# Altium PCB 无线遥控器_PCB.PcbDoc
Units mil, origin at the board's own origin, x right, y up, seen from the top; angles counter-clockwise.
Board outline 3937.04 x 3937.02 mil, 2 copper layers (Top Layer, Bottom Layer); 96 components, 71 nets, 413 pads, 80 vias.
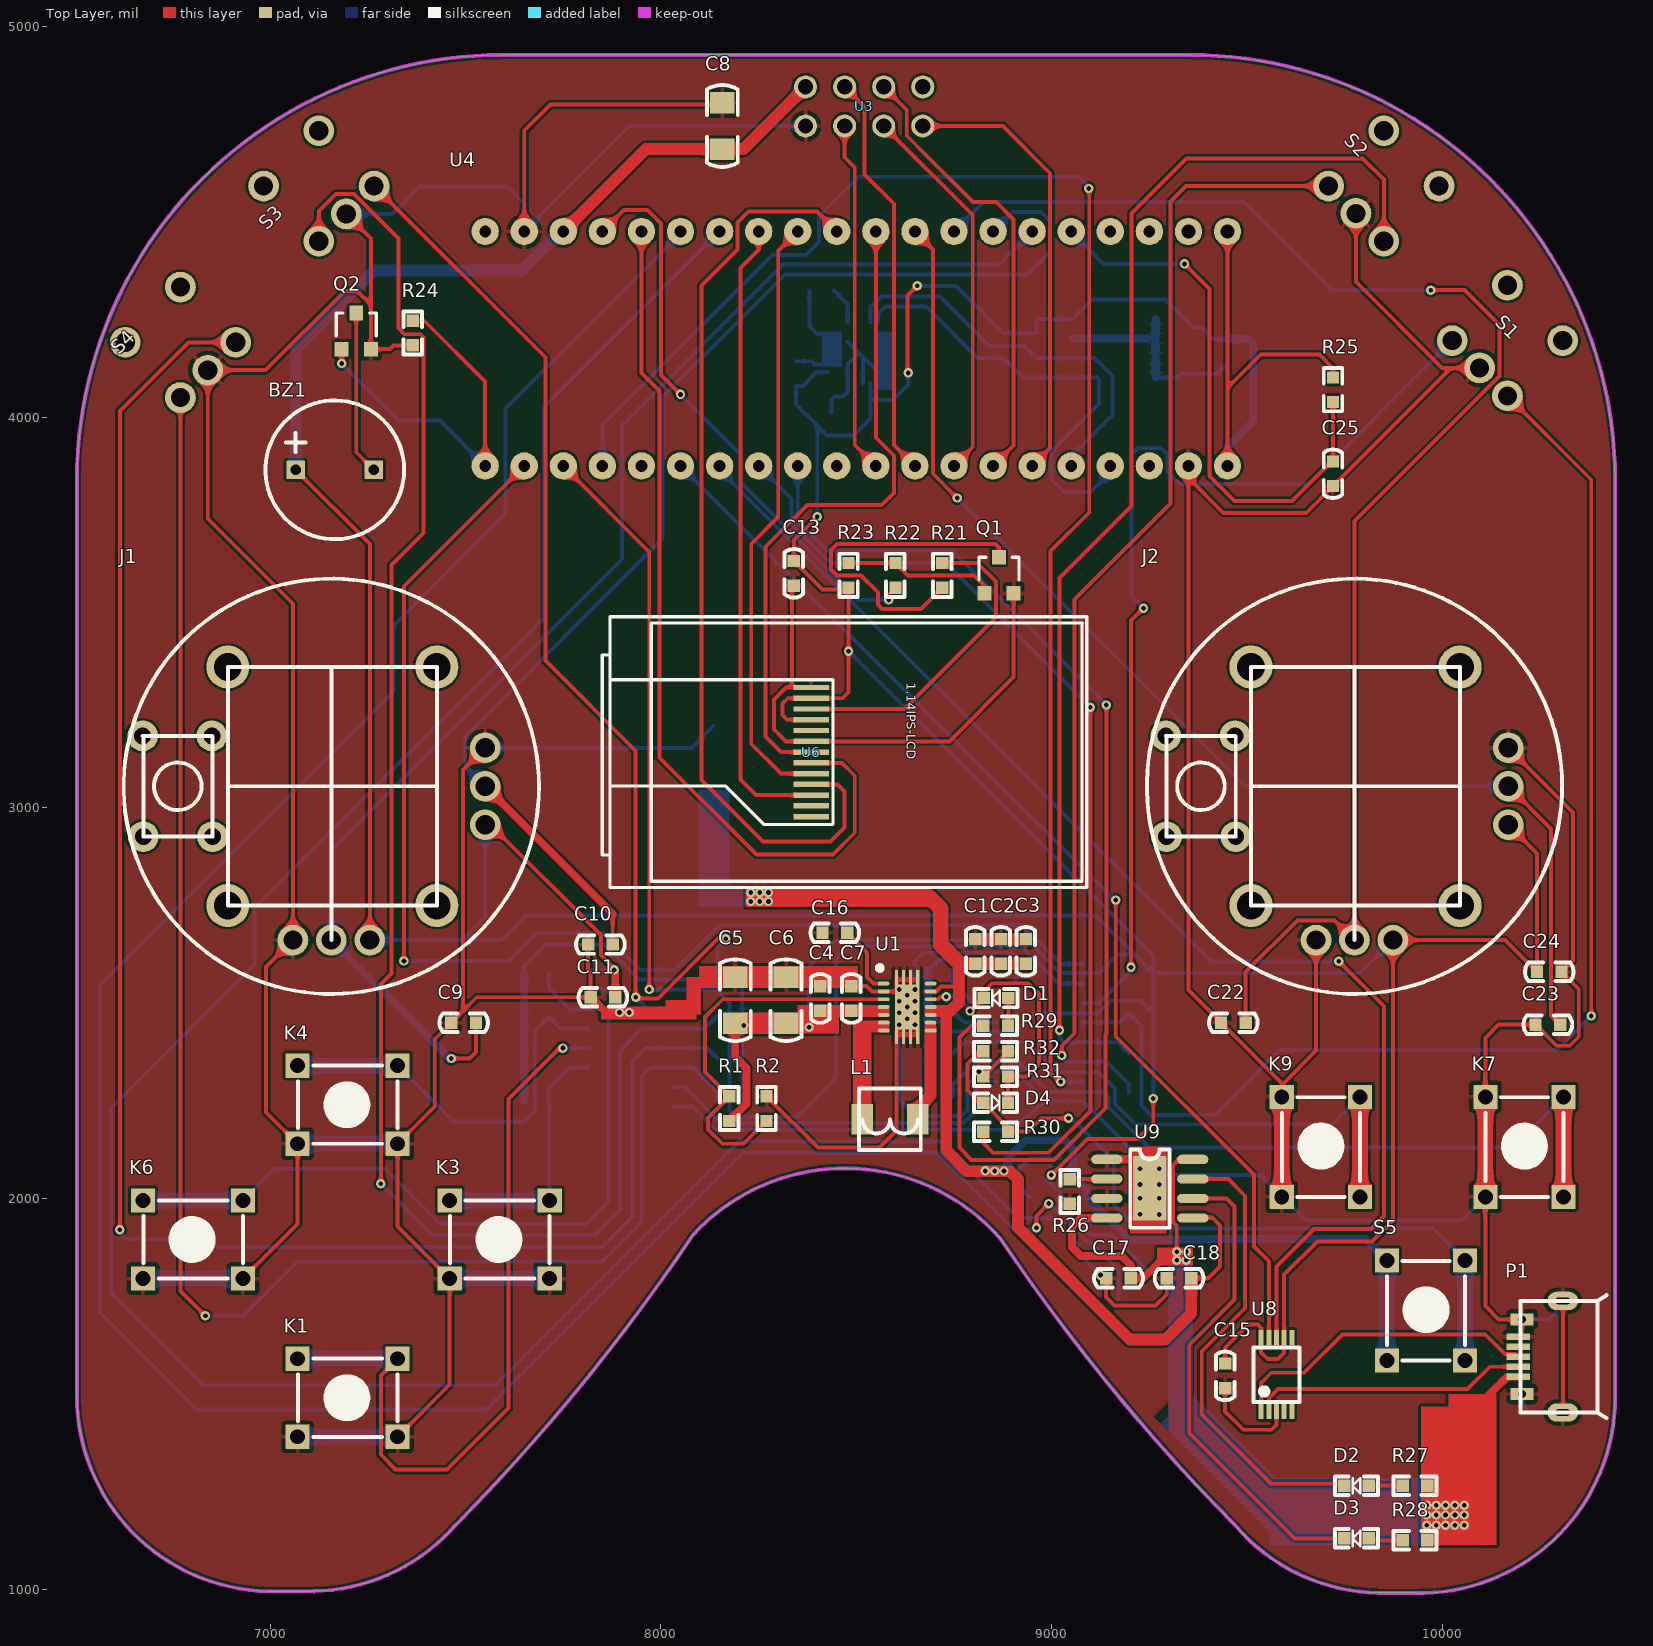
[diagram p0: Top Layer view]
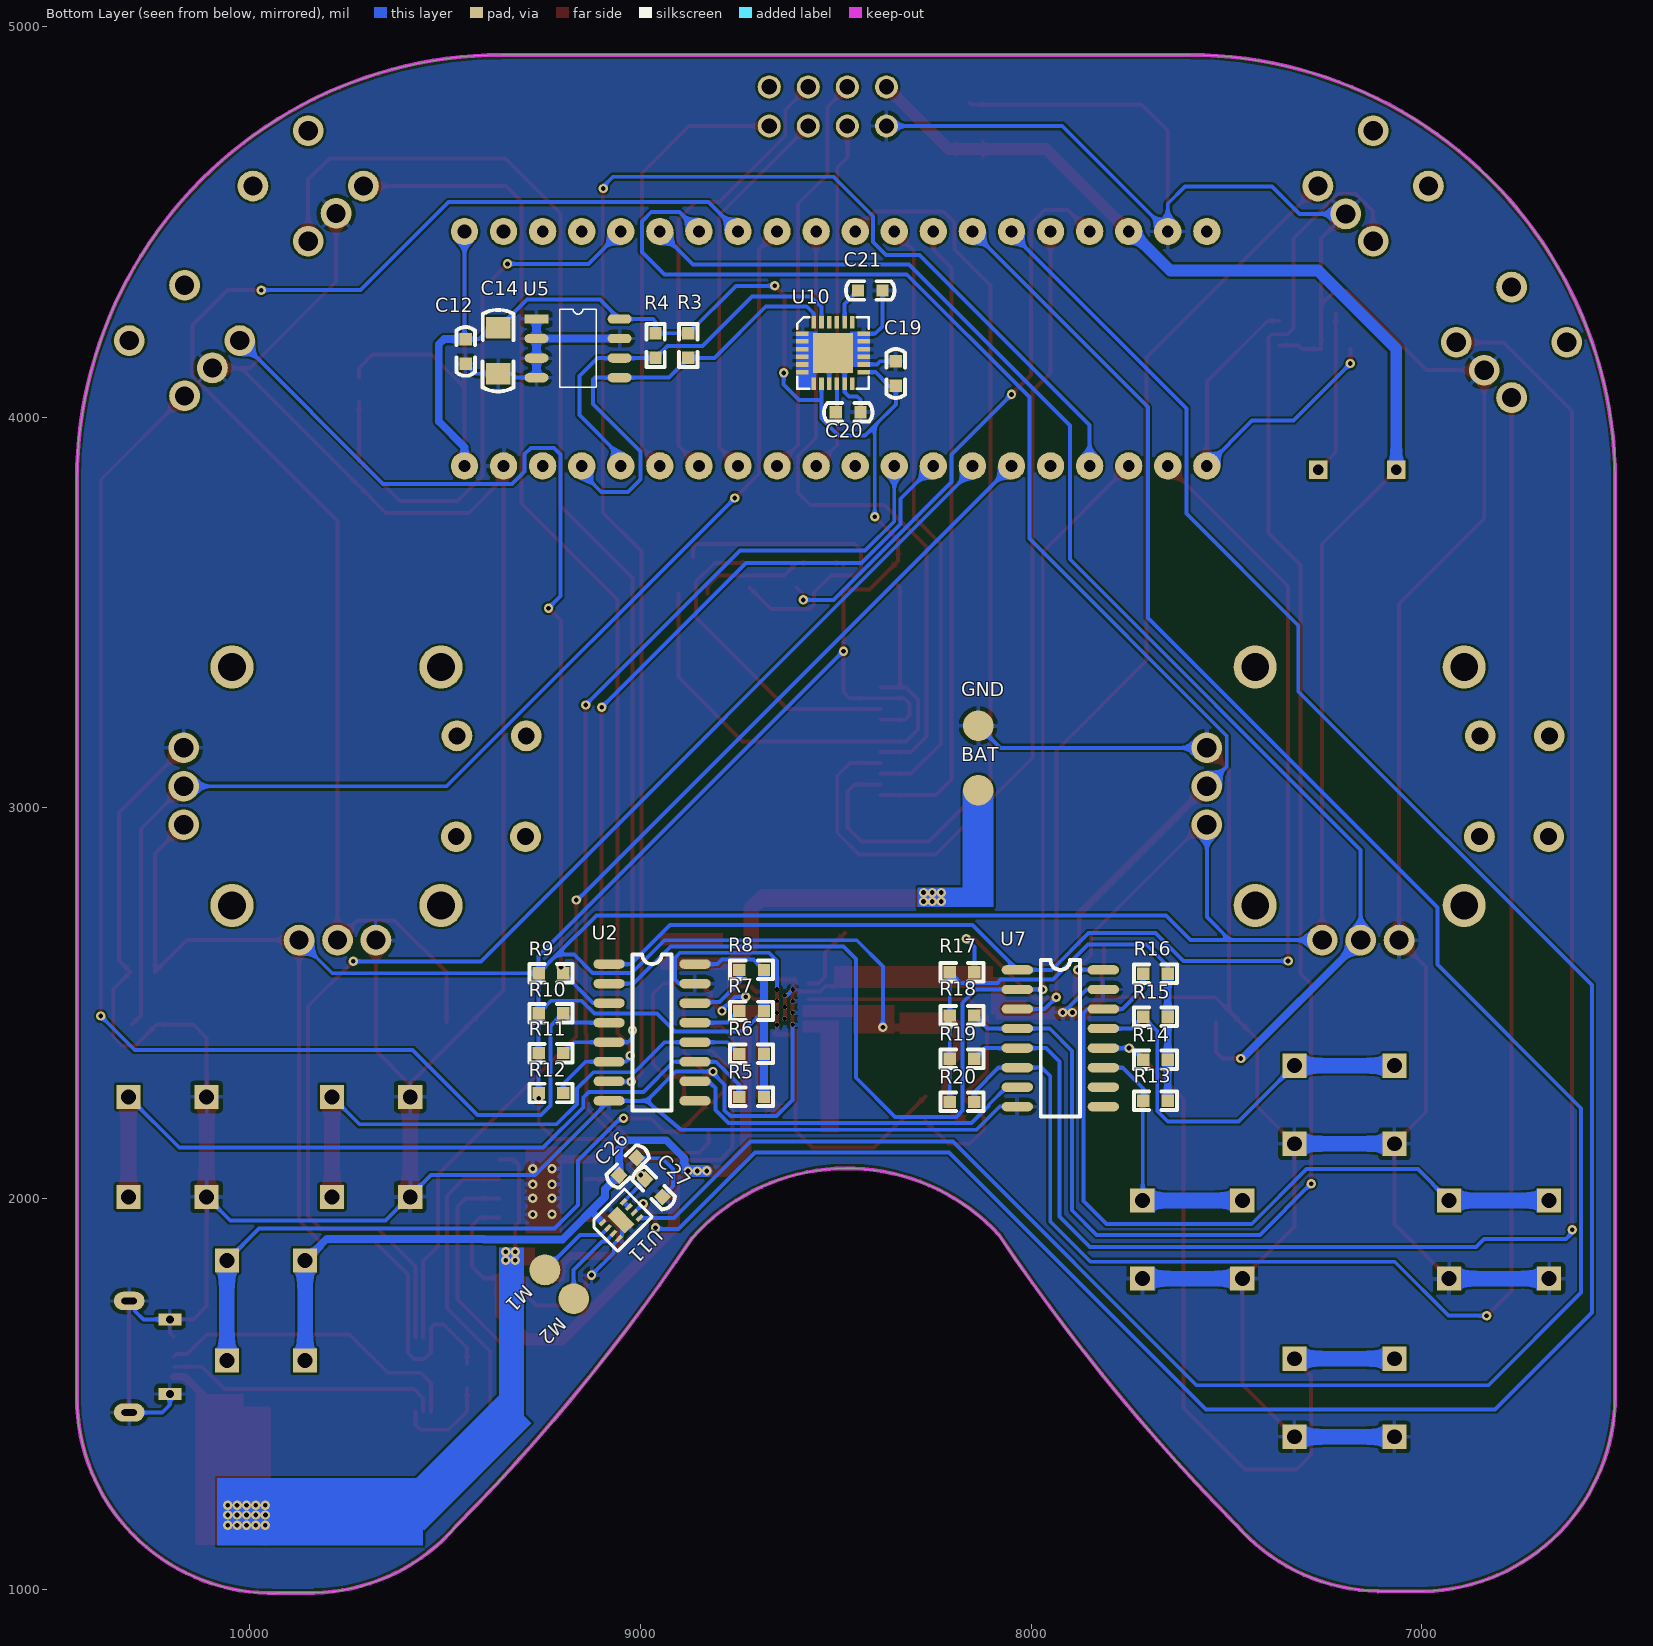
[diagram p1: Bottom Layer view, seen from below]
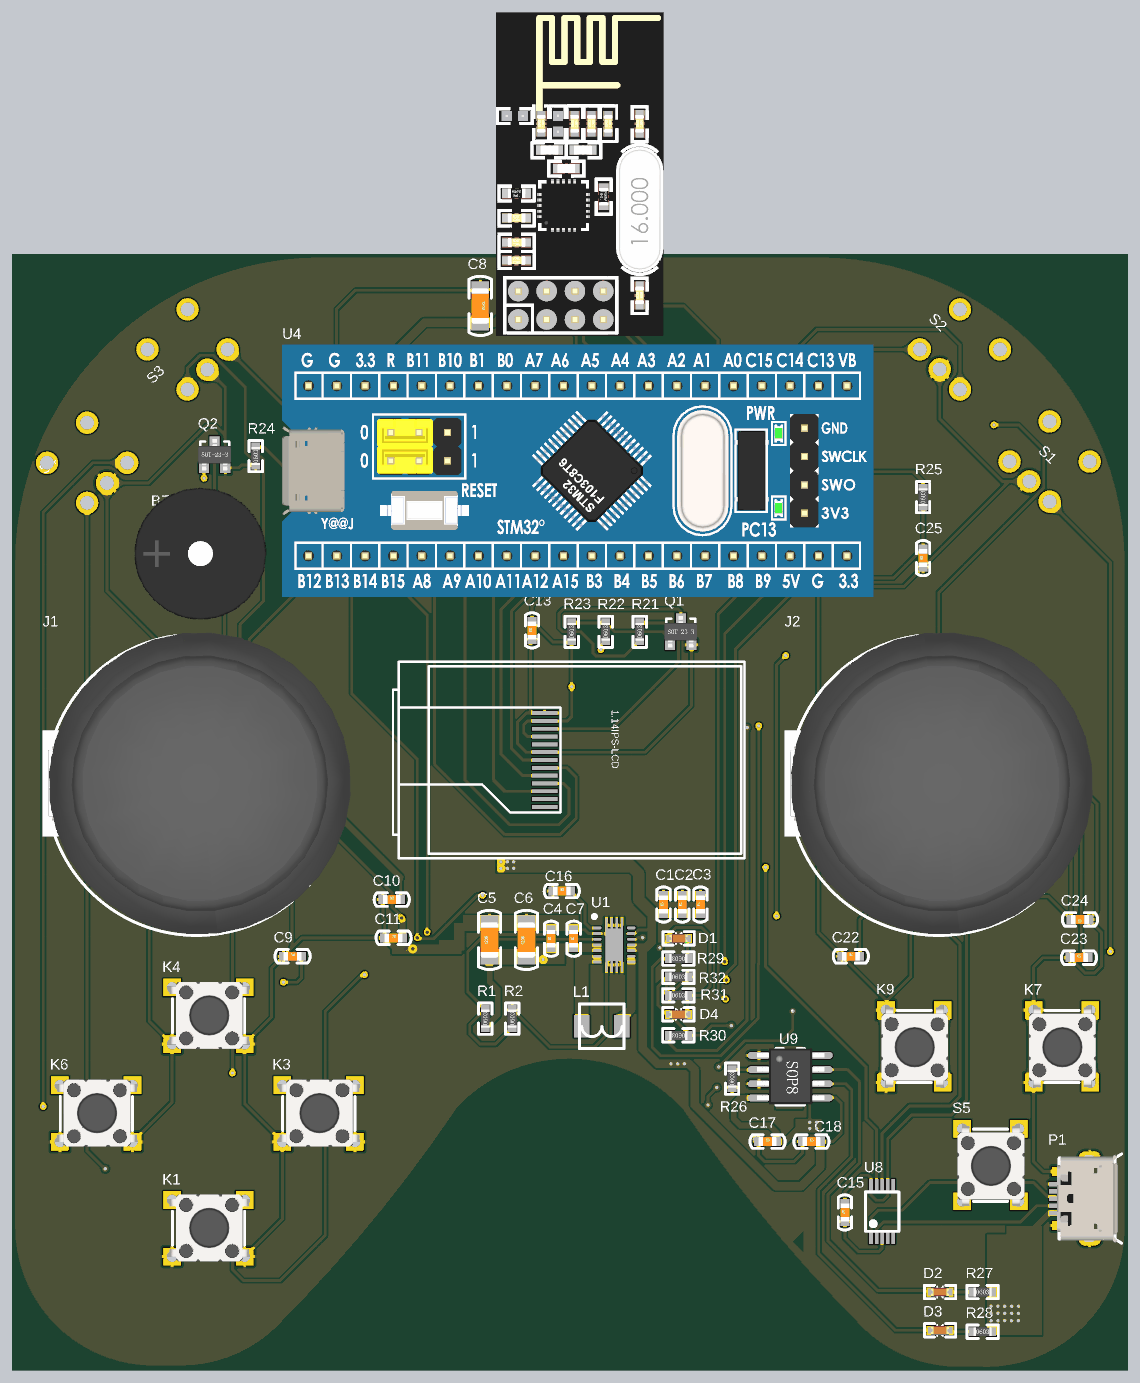
[diagram p2: 3D render of the assembled board from above, using the file's embedded part models]
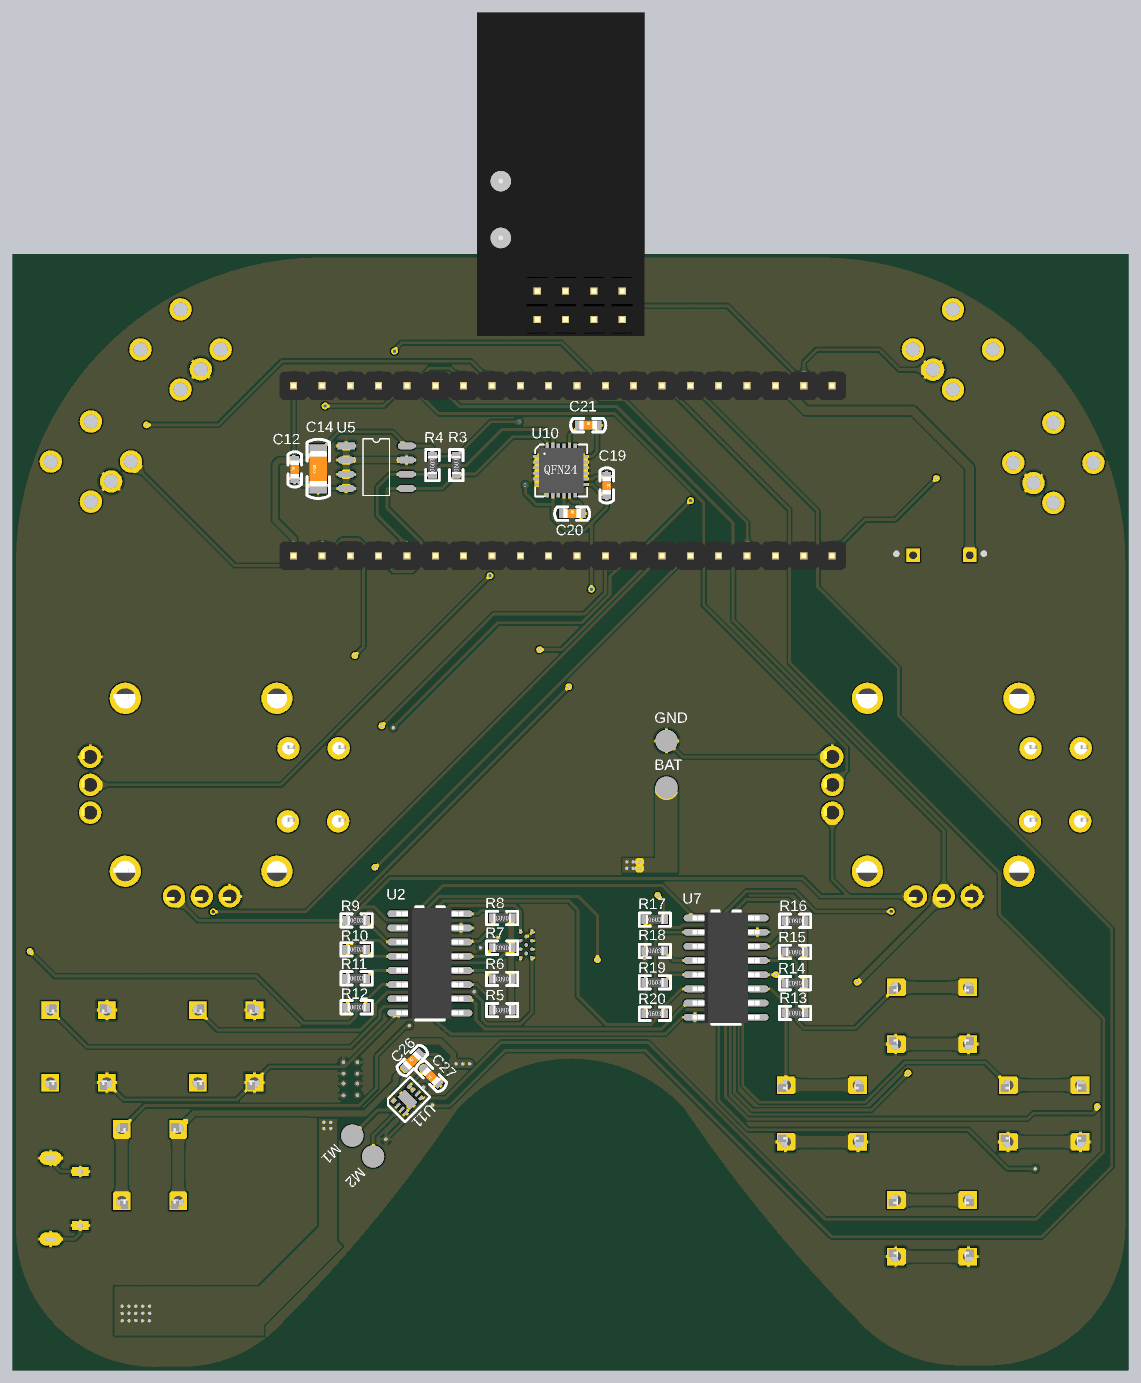
[diagram p3: 3D render of the assembled board from below, using the file's embedded part models]

## Layer stack, top to bottom
Top Solder: solder mask 0.4, Solder Resist, Dk 3.5
Top Layer: signal copper 1.4
Dielectric 1: dielectric 12.6, FR-4, Dk 4.8
Bottom Layer: signal copper 1.4
Bottom Solder: solder mask 0.4, Solder Resist, Dk 3.5

## Board outline
6505,1495 ccw(c7005.44,1495) 7017.55,994.7 7017.5,994.69 7112.22,994.23 7112,995 ccw(c7101.47,1489.94) 7475.61,1165.76 7474.99,1164.99 ccw(c3788.2,4799.77) 8081.71,1906.71 8081.74,1906.73 cw(c8471.05,1547.71) 8866.9,1899.5 8867.07,1899.47 ccw(c13158.2,4796.06) 9471.41,1161.28 9471.4,1161.29 ccw(c9845.54,1485.47) 9835.01,990.53 9928.92,990.53 9929.46,990 ccw(c9941.56,1490.3) 10442.01,1490.3 10442.01,1490.01 10442.01,3838.99 10442.04,3839 ccw(c9352.65,3837.61) 9354,4927.01 9353.99,4927.01 7593.05,4927.02 ccw(c7594.4,3837.62) 6505.02,3843.97 6505,3843.98

## Design rules (kind name [scope] priority, off if disabled: settings)
Clearance [All] p1: gap=6 ignorepadtopadclearanceinfootprint=FALSE except(0: Arc-Hole Track-Hole SMDPad-Hole THPad-Hole Via-Hole Fill-Hole Poly-Hole Region-Hole Text-Hole)
Height [All] p1: minheight=0 maxheight=5000 prefheight=500
MinimumSolderMaskSliver [All] p1: minsoldermaskwidth=1
PolygonConnect [All] p1: connectstyle=Relief reliefconductorwidth=10 reliefentries=4 polygonreliefangle="90 Angle" airgapwidth=10
RoutingVias [All] p1: holewidth=12 width=24 viastyle="Through Hole" minholewidth=5 minwidth=5 maxholewidth=500 maxwidth=500
SilkToSilkClearance [All] p1: silktosilkclearance=1
SilkToSolderMaskClearance [IsPad] p1: minsilkscreentomaskgap=0 clearancetoexposedcopper=TRUE
SolderMaskExpansion [All] p1: expansion=4
Width [All] p1: maxlimit=100 minlimit=10 preferedwidth=10
26 further rules are at their usual default settings.

## Components (designator, comment, footprint, x,y, rotation, side; value= is the part's Value field where it differs from the comment)
BAT "BAT" Pad_B 8135,3045 r90 bottom
BZ1 "蜂鸣器" BUZZ-DIP 7065,3865 r0 top
C1 "106" 电容_C0603 8804,2632.5 r90 top
C2 "106" 电容_C0603 8870,2632.5 r90 top
C3 "106" 电容_C0603 8934,2632.5 r90 top
C4 "106" 电容_C0603 8407.28,2512 r90 top
C5 "22uf" 电容_C1206 8190.25,2507.62 r90 top
C6 "22uf" 电容_C1206 8320,2507.62 r90 top
C7 "104" 电容_C0603 8487.03,2512 r90 top
C8 "22uF" 电容_C1206 8157,4745 r270 top
C9 "104" 电容_C0603 7495,2450 r0 top
C10 "104" 电容_C0603 7845,2650 r0 top
C11 "105" 电容_C0603 7851.5,2515 r0 top
C12 "104" 电容_C0603 9447,4168 r90 bottom
C13 "105" 电容_C0603 8340,3600 r90 top
C14 "22uF" 电容_C1206 9364,4170 r90 bottom
C15 "105" 电容_C0603 9444,1546 r90 top
C16 "104" 电容_C0603 8445,2680 r0 top
C17 "10uf" 电容_C0603 9171,1796 r0 top
C18 "10uf" 电容_C0603 9326,1796 r0 top
C19 "1uF" 电容_C0603 8346,4111.5 r270 bottom
C20 "104" 电容_C0603 8468,4012 r180 bottom
C21 "2.2nF" 电容_C0603 8411.5,4324 r180 bottom
C22 "104" 电容_C0603 9465,2450 r0 top
C23 "104" 电容_C0603 10270,2445 r0 top
C24 "105" 电容_C0603 10273.5,2580 r180 top
C25 "104" 电容_C0603 9720,3855 r90 top
C26 "104" 电容_C0603 9032,2082 r135 bottom
C27 "104" 电容_C0603 8965.49,2026.37 r45 bottom
D1 "1n4148" LED_0603 8857.5,2513 r180 top
D2 "red" LED_0603 9780,1265 r180 top
D3 "green" LED_0603 9780,1130 r180 top
D4 "1n4148" LED_0603 8856.5,2245 r0 top
GND "GND" Pad_B 8135,3210 r90 bottom
J1 "油门摇杆" 摇杆2 6986.3,3120 r0 top
J2 "方向摇杆" 摇杆2 9605,3120 r0 top
K1 "SKRP" KEY_M 7325.91,1390 r180 top
K3 "SKRP" KEY_M 7715,1795 r180 top
K4 "SKRP" KEY_M 7325.91,2140 r180 top
K6 "SKRP" KEY_M 6930,1795 r180 top
K7 "SKRP" KEY_M 10110,2004.09 r90 top
K9 "SKRP" KEY_M 9589,2004.09 r90 top
L1 "1.5uH" 变压器电感_0420 8586,2203 r90 top
M1 "M1-OUT1" Pad_B 9244.09,1817.07 r315 bottom
M2 "M1-OUT2" Pad_B 9170.55,1743.53 r315 bottom
P1 "MICRO USB" "接插件_MICRO 牛角插座 USB 卷边" 10200,1595 r270 top
Q1 "S8050" 三极管_SOT-23 8865,3595 r0 top
Q2 "AON6512" 三极管_SOT-23 7220,4220 r0 top
R1 "1M" 电阻_R0603 8175,2230 r90 top
R2 "180K" 电阻_R0603 8270,2230 r90 top
R3 "10K" 电阻_R0603 8877,4183 r90 bottom
R4 "10K" 电阻_R0603 8961,4183 r90 bottom
R5 "10K" 电阻_R0603 8715,2260 r0 bottom
R6 "10K" 电阻_R0603 8715,2370 r0 bottom
R7 "10K" 电阻_R0603 8715,2480 r0 bottom
R8 "10K" 电阻_R0603 8715,2585 r0 bottom
R9 "10K" 电阻_R0603 9228.81,2576.43 r180 bottom
R10 "10K" 电阻_R0603 9228.81,2474.29 r180 bottom
R11 "10K" 电阻_R0603 9228.81,2372.14 r180 bottom
R12 "10K" 电阻_R0603 9228.81,2270 r180 bottom
R13 "10K" 电阻_R0603 7681.5,2250 r0 bottom
R14 "10K" 电阻_R0603 7681.5,2355 r0 bottom
R15 "10K" 电阻_R0603 7681.5,2465 r0 bottom
R16 "10K" 电阻_R0603 7681.5,2575 r0 bottom
R17 "10K" 电阻_R0603 8176.5,2579.29 r180 bottom
R18 "10K" 电阻_R0603 8176.5,2468.57 r180 bottom
R19 "10K" 电阻_R0603 8176.5,2357.86 r180 bottom
R20 "10K" 电阻_R0603 8176.5,2247.14 r180 bottom
R21 "10R" 电阻_R0603 8720,3595 r90 top
R22 "1K" 电阻_R0603 8600,3595 r90 top
R23 "20K" 电阻_R0603 8480,3595 r90 top
R24 "10K" 电阻_R0603 7365,4215 r90 top
R25 "10K" 电阻_R0603 9720,4070 r90 top
R26 "2k" 电阻_R0603 9046,2018 r90 top
R27 "2k" 电阻_R0603 9930,1265 r0 top
R28 "2k" 电阻_R0603 9930,1125 r0 top
R29 "4.7K" 电阻_R0603 8856.5,2442 r180 top
R30 "20K" 电阻_R0603 8856.5,2171 r180 top
R31 "1M" 电阻_R0603 8856.5,2312 r0 top
R32 "20K" 电阻_R0603 8856.5,2377 r0 top
S1 "三段开关" 三段开关 10095.68,4125 r315 top
S2 "三段开关" 三段开关 9779.29,4520.71 r315 top
S3 "三段开关" 三段开关 7195,4520.71 r45 top
S4 "三段开关" 三段开关 6840.68,4120.68 r45 top
S5 "SW-PB" KEY_M 9858,1585.09 r90 top
U1 "TPS63020" TPS63020 8630,2490 r270 top
U2 "74HC165" 74HC系列_SOP16 9080,2600 r180 bottom
U3 "NRF24L01_connect" NRF24L01_connect 8522,4791 r90 top
U4 "STM32F4_DIP" STM32_DIP 7550,3875 r90 top
U5 "EEPROM 24CXX" SOP8 9265.6,4251 r180 bottom
U6 "IPS-LCD" 1.14IPS-LCD 8121.22,3819.72 r180 top
U7 "74HC165" 74HC系列_SOP16 8035,2585 r180 bottom
U8 "CH340E" 串口_MSOP10 9536,1455 r0 top
U9 "TP4056" SOP-8_PAD 9251,2026 r0 top
U10 "MPU-6050" 陀螺仪_QFN24 8506.74,4164.21 r180 bottom
U11 "DRV883x" WSON-8 9054.49,1897.02 r135 bottom

## Footprints (in the part's own frame and the unit in brackets; to place one, negate y for a bottom-side part, rotate by r counter-clockwise, add the part's x,y. Pads: shape width x height; smd on the part's side, far side on the other; paste and mask are expansions set on the pad)
1.14IPS-LCD [mm] "1.14寸IPS-LCD裸屏SPI接口"
  rect 2.3x0.35 smd: 1(-6.7,21.4) 2(-6.7,20.7) 3(-6.7,20) 4(-6.7,19.3) 5(-6.7,18.6) 6(-6.7,17.9) 7(-6.7,17.2) 8(-6.7,16.5) 9(-6.7,15.8) 10(-6.7,15.1) 11(-6.7,14.4) 12(-6.7,13.7) 13(-6.7,13)
  silkscreen extent -24.6,8.4 6.9,26
74HC系列_SOP16 [mil]
  oval 80x24 smd: 1(0,0) 2(0,-50) 3(0,-100) 4(0,-150) 5(0,-200) 6(0,-250) 7(0,-300) 8(0,-350) 9(220,-350) 10(220,-300) 11(220,-250) 12(220,-200) 13(220,-150) 14(220,-100) 15(220,-50) 16(220,0)
  silkscreen extent 60,-375 160,25, body extent -8,-370 228,20, height 55
BUZZ-DIP [mm]
  rect 1.2x1.2 hole 0.7: 1(0,0) 2(5.08,0)
  silkscreen extent -1.97,-4.51 7.05,4.51, body extent -3.26,-5.78 8.59,6.07, height 9.6